# KiCad board Macro Pad 2 PCB.kicad_pcb
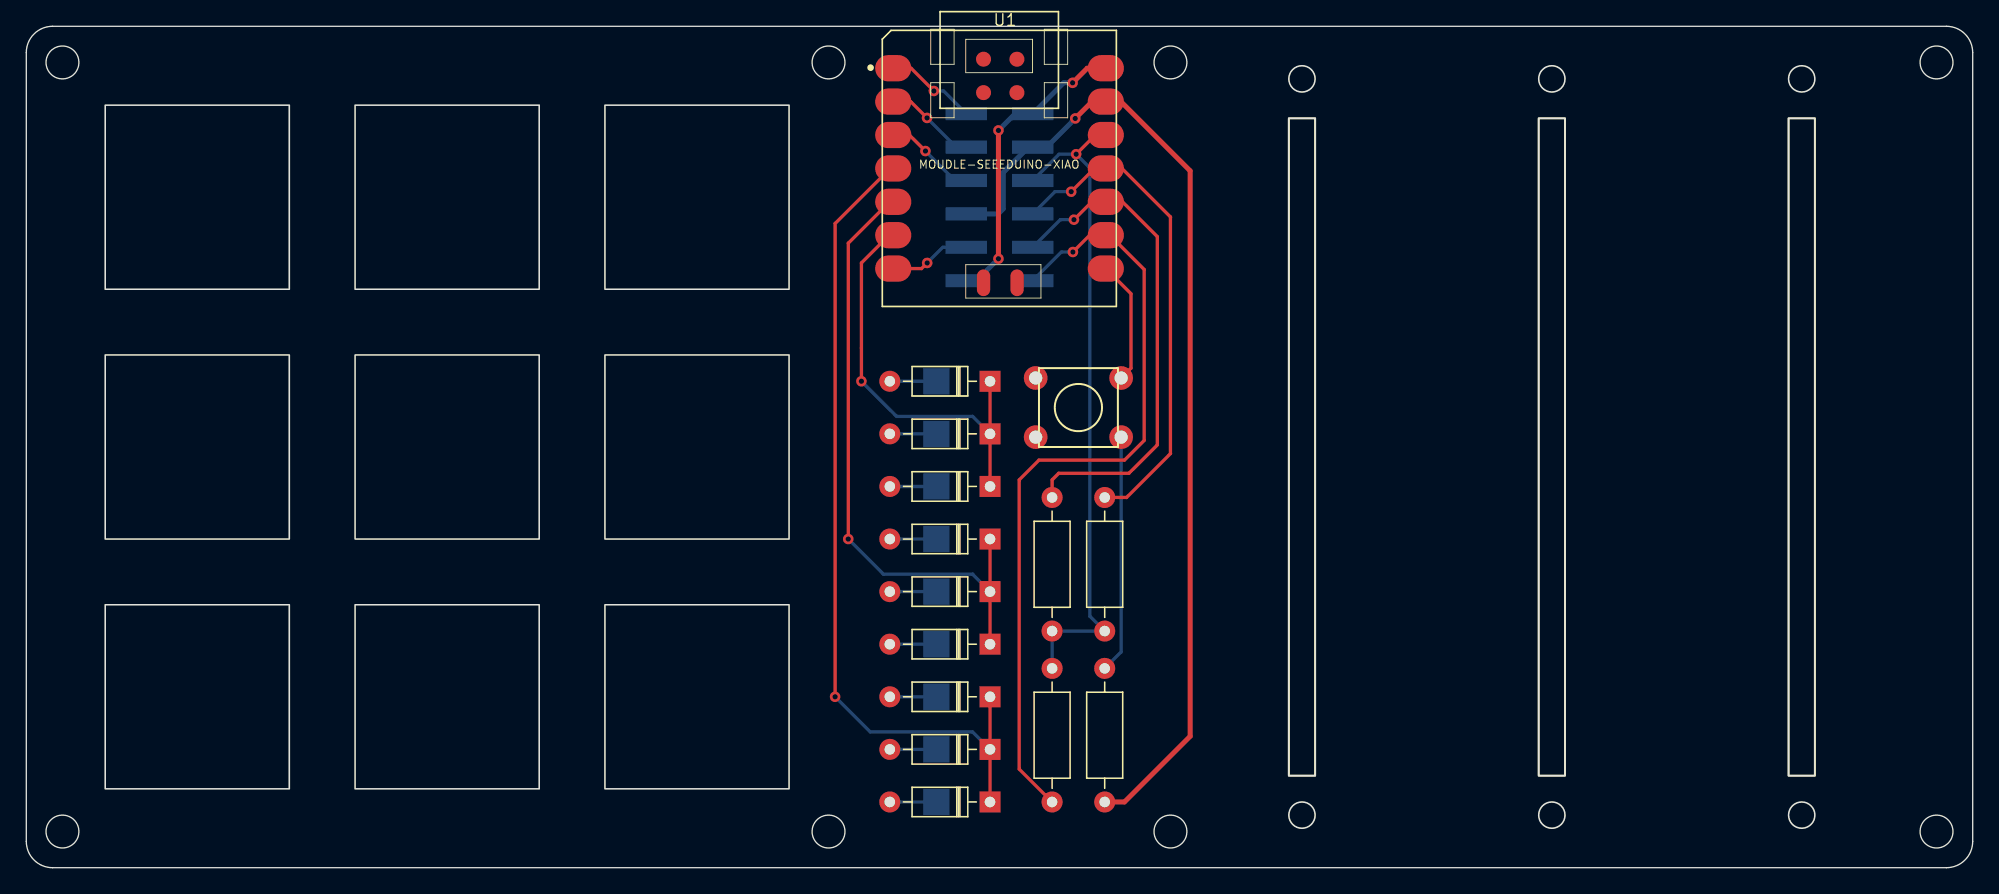
[diagram p0: board, top side]
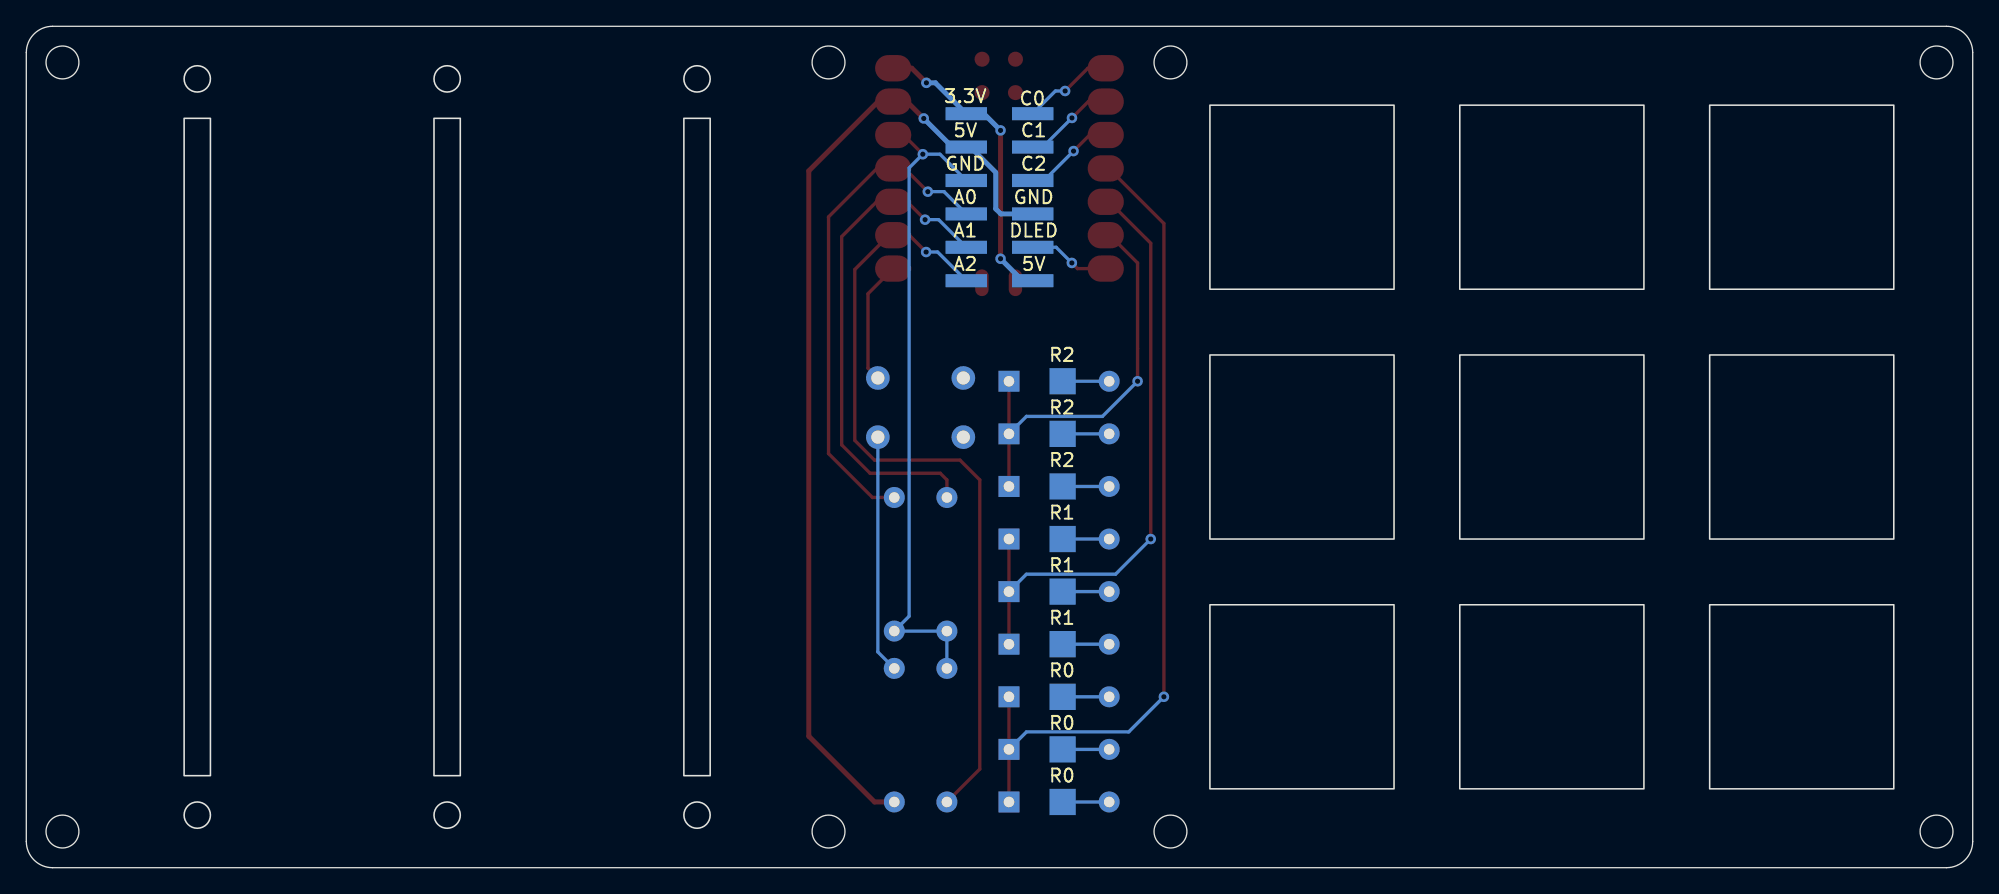
[diagram p1: board, bottom side, seen from below]

Outline 148 x 64 mm; copper layers: Top, Bottom. Coordinates in mm from the lower left corner of the outline.
Outline path: circle c2.75,61.25 r1.25 ; circle c2.75,2.75 r1.25 ; circle c61,61.25 r1.25 ; circle c61,2.75 r1.25 ; circle c87,61.25 r1.25 ; circle c87,2.75 r1.25 ; circle c145.25,61.25 r1.25 ; circle c145.25,2.75 r1.25 ; 0,62 arc(0.59,63.41) 2,64 146,64 arc(147.41,63.41) 148,62 148,2 arc(147.41,0.59) 146,0 2,0 arc(0.59,0.59) 0,2 0,62
Stack: Top 0.035mm / dielectric 1.51mm FR4 er 4.5 / Bottom 0.035mm

## Placement (name value [footprint] x y rotation side)
D1  1N4148  [D_DO-35_SOD27_P7.62mm_Horizontal]  73.28 5 180 top
D2  1N4148  [D_DO-35_SOD27_P7.62mm_Horizontal]  73.28 17 180 top
D3  1N4148  [D_DO-35_SOD27_P7.62mm_Horizontal]  73.28 29 180 top
D4  1N4148  [D_DO-35_SOD27_P7.62mm_Horizontal]  73.28 9 180 top
D5  1N4148  [D_DO-35_SOD27_P7.62mm_Horizontal]  73.28 21 180 top
D6  1N4148  [D_DO-35_SOD27_P7.62mm_Horizontal]  73.28 33 180 top
D7  1N4148  [D_DO-35_SOD27_P7.62mm_Horizontal]  73.28 13 180 top
D8  1N4148  [D_DO-35_SOD27_P7.62mm_Horizontal]  73.28 25 180 top
D9  1N4148  [D_DO-35_SOD27_P7.62mm_Horizontal]  73.28 37 180 top
J1  Conn_02x06_Counter_Clockwise  [PinHeader_2x06_P2.54mm_Vertical_SMD]  74 51 180 bottom
J2  TestPoint  [TestPoint_Pad_2.0x2.0mm]  69.2 5 180 bottom
J3  TestPoint  [TestPoint_Pad_2.0x2.0mm]  69.2 17 180 bottom
J4  TestPoint  [TestPoint_Pad_2.0x2.0mm]  69.2 29 180 bottom
J5  TestPoint  [TestPoint_Pad_2.0x2.0mm]  69.2 9 180 bottom
J6  TestPoint  [TestPoint_Pad_2.0x2.0mm]  69.2 21 180 bottom
J7  TestPoint  [TestPoint_Pad_2.0x2.0mm]  69.2 33 180 bottom
J8  TestPoint  [TestPoint_Pad_2.0x2.0mm]  69.2 37 180 bottom
J9  TestPoint  [TestPoint_Pad_2.0x2.0mm]  69.2 13 180 bottom
J10  TestPoint  [TestPoint_Pad_2.0x2.0mm]  69.2 25 180 bottom
MX1  MX-NoLED  [Cherry Cutout]  13 51 0 top
MX2  MX-NoLED  [Cherry Cutout]  32 51 0 top
MX3  MX-NoLED  [Cherry Cutout]  51 51 0 top
MX4  MX-NoLED  [Cherry Cutout]  13 32 0 top
MX5  MX-NoLED  [Cherry Cutout]  32 32 0 top
MX6  MX-NoLED  [Cherry Cutout]  51 32 0 top
MX7  MX-NoLED  [Cherry Cutout]  13 13 0 top
MX8  MX-NoLED  [Cherry Cutout]  32 13 0 top
MX9  MX-NoLED  [Cherry Cutout]  51 13 0 top
R1  10k  [R_Axial_DIN0207_L6.3mm_D2.5mm_P10.16mm_Horizontal]  82 18 90 top
R2  10k  [R_Axial_DIN0207_L6.3mm_D2.5mm_P10.16mm_Horizontal]  78 18 90 top
R3  10k  [R_Axial_DIN0207_L6.3mm_D2.5mm_P10.16mm_Horizontal]  78 5 90 top
R5  10k  [R_Axial_DIN0207_L6.3mm_D2.5mm_P10.16mm_Horizontal]  82 5 90 top
R6  PTA4543-2015DPB103  [Slide Pot Cutout]  97 32 0 top
R7  PTA4543-2015DPB103  [Slide Pot Cutout]  116 32 0 top
R8  PTA4543-2015DPB103  [Slide Pot Cutout]  135 32 0 top
SW1  SW_MEC_5G  [PushButton_6x6mm_TH_Pretty]  80 35 0 top
U1  MOUDLE-SEEEDUINO-XIAO  [Seeeduino XIAO-MOUDLE14P-2.54-21X17.8MM]  65.09 42.69 0 top

## Library data of the parts
D1 D5 D6 D9 = -: Description: 100V 0.15A standard switching diode, DO-35; Field4: K; Field6: K
D2-D4 D7 D8 = -: Description: 100V 0.15A standard switching diode, DO-35; Field4: K; Field5: K
J1 = -: Description: Generic connector, double row, 02x06, counter clockwise pin numbering scheme (similar to DIP package numbering), script generated (kicad-library-utils/schlib/autogen/connector/)
J2-J10 = -: Description: test point
R1-R3 R5 = -: Description: Resistor, US symbol
R6-R8 = -: MANUFACTURER: Bourns; MAXIMUM_PACKAGE_HEIGHT: 21.5 mm; PARTREV: 04/21; STANDARD: Manufacturer Recommendations
SW1 = -: Description: MEC 5G single pole normally-open tactile switch

## Footprints (pads in the part's own frame, mm; a bottom-side part is the same pattern mirrored in y, then rotated)
D_DO-35_SOD27_P7.62mm_Horizontal
  rect 1.6x1.6 hole 0.8: 1(0,0)
  oval 1.6x1.6 hole 0.8: 2(7.62,0)
PinHeader_2x06_P2.54mm_Vertical_SMD
  rect 3.15x1 smd: 1(-2.525,6.35) 2(2.525,6.35) 3(-2.525,3.81) 4(2.525,3.81) 5(-2.525,1.27) 6(2.525,1.27) 7(-2.525,-1.27) 8(2.525,-1.27) 9(-2.525,-3.81) 10(2.525,-3.81) 11(-2.525,-6.35) 12(2.525,-6.35)
PushButton_6x6mm_TH_Pretty
  round 1.8 hole 1: 1(3.25,2.25) 2(-3.25,-2.25) 3(3.25,-2.25) 4(-3.25,2.25)
R_Axial_DIN0207_L6.3mm_D2.5mm_P10.16mm_Horizontal
  round 1.6 hole 0.8: 1(0,0)
  oval 1.6x1.6 hole 0.8: 2(10.16,0)
Seeeduino XIAO-MOUDLE14P-2.54-21X17.8MM
  oval 2.748x1.999 smd: 1(0.833,18.118) 2(0.833,15.578) 3(0.833,13.038) 4(0.833,10.498) 5(0.833,7.958) 6(0.833,5.418) 7(0.833,2.878) 8(16.998,2.878) 9(16.998,5.418) 10(16.998,7.958) 11(16.998,10.498) 12(16.998,13.038) 13(16.998,15.578) 14(16.998,18.118)
  oval 1.016x2.032 smd: 15(7.7,1.8) 16(10.25,1.8)
  round 1.143 smd: 17(7.699,18.804) 18(10.239,18.804) 19(7.699,16.264) 20(10.239,16.264)
TestPoint_Pad_2.0x2.0mm
  rect 2x2 smd: 1(0,0)

## Nets
+3.3V: J1.5 R1.1 R2.1 R3.2 U1.12
+5V: J1.1 J1.12 U1.14
GND: J1.3 J1.8 R5.1 U1.13
A0: J1.2 U1.1
A1: J1.4 U1.2
A2: J1.6 U1.3
C0: J1.7 R1.2 U1.11
C1: J1.9 R2.2 U1.10
C2: J1.11 R3.1 U1.9
DLED: J1.10 U1.7
R0: D1.1 D4.1 D7.1 U1.4
R1: D2.1 D5.1 D8.1 U1.5
R2: D3.1 D6.1 D9.1 U1.6
Net-(D1-A): D1.2 J2.1
Net-(D2-A): D2.2 J3.1
Net-(D3-A): D3.2 J4.1
Net-(D4-A): D4.2 J5.1
Net-(D5-A): D5.2 J6.1
Net-(D6-A): D6.2 J7.1
Net-(D7-A): D7.2 J9.1
Net-(D8-A): D8.2 J10.1
Net-(D9-A): D9.2 J8.1
Net-(R5-Pad2): R5.2 SW1.3 SW1.4
Net-(U1-PB09_A7_D7_RX): SW1.1 SW1.2 U1.8

Pads without a net: U1 15 16 17 18 19 20

## Via types
v1: diameter 0.8, hole 0.4, Top to Bottom, 15 vias

## Routing (per net, layer and track width the routed paths; a pad name or vN(x,y) marks a point on that pad's centre or on a via; arc(x,y) is an arc through that point)
+3.3V: length 51
  Top w0.254: v1(79.83,54.27) 81.29,55.73 U1.12
  Bottom w0.254: J1.5 78.53,54.27 v1(79.83,54.27) 80.87,53.23 80.87,19.13 R1.1 R2.1 R3.2
+5V: length 23
  Top w0.381: U1.14 80.67,60.81 v1(79.56,59.7) ; v1(73.92,56.08) v1(73.92,46.32)
  Bottom w0.381: J1.12 72.25,44.65 v1(73.92,46.32) ; v1(79.56,59.7) 78.88,59.7 J1.1 75.19,57.35 v1(73.92,56.08)
GND: length 75.9
  Top w0.381: R5.1 83.5,5 88.5,10 88.5,53 83.23,58.27 U1.13 81.04,58.27 v1(79.76,56.99)
  Bottom w0.381: J1.8 73.9,49.73 74.29,50.12 74.29,52.89 76.21,54.81 J1.3 77.58,54.81 v1(79.76,56.99)
A0: length 7
  Top w0.254: v1(69.01,59.08) 67.28,60.81 U1.1
  Bottom w0.254: v1(69.01,59.08) 69.75,59.08 J1.2
A1: length 7
  Top w0.254: v1(68.49,57.03) 67.25,58.27 U1.2
  Bottom w0.254: v1(68.49,57.03) 70.71,54.81 J1.4
A2: length 7
  Top w0.254: U1.3 67.15,55.73 v1(68.37,54.51)
  Bottom w0.254: v1(68.37,54.51) 70.61,52.27 J1.6
C0: length 37.8
  Top w0.254: R1.2 83.66,28.16 87,31.5 87,49.5 83.31,53.19 U1.11 81.22,53.19 v1(79.45,51.42)
  Bottom w0.254: v1(79.45,51.42) 78.22,51.42 J1.7
C1: length 38.3
  Top w0.254: v1(79.66,49.29) 81.02,50.65 U1.10 83.35,50.65 86,48 86,32.16 83.84,30 78.5,30 78,29.5 R2.2
  Bottom w0.254: v1(79.66,49.29) 78.62,49.29 J1.9
C2: length 60.3
  Top w0.254: R3.1 75.5,7.5 75.5,29.5 77,31 83.5,31 85,32.5 85,45.5 82.39,48.11 U1.9 80.86,48.11 v1(79.58,46.83)
  Bottom w0.254: v1(79.58,46.83) 78.71,46.83 J1.11
DLED: length 6.2
  Top w0.254: U1.7 68.07,45.57 v1(68.5,46)
  Bottom w0.254: v1(68.5,46) 69.69,47.19 J1.10
R0: length 63.6
  Top w0.254: v1(61.5,13) 61.5,49 65.69,53.19 U1.4 ; D7.1 D4.1 D1.1
  Bottom w0.254: D4.1 71.95,10.33 64.17,10.33 v1(61.5,13)
R1: length 47.7
  Top w0.254: U1.5 65.65,50.65 62.5,47.5 v1(62.5,25) ; D8.1 D5.1 D2.1
  Bottom w0.254: D5.1 71.95,22.33 65.17,22.33 v1(62.5,25)
R2: length 31.7
  Top w0.254: U1.6 65.61,48.11 63.5,46 v1(63.5,37) ; D3.1 D6.1 D9.1
  Bottom w0.254: D6.1 71.95,34.33 66.17,34.33 v1(63.5,37)
Net-(D1-A): length 3.5
  Bottom w0.254: D1.2 J2.1
Net-(D2-A): length 3.5
  Bottom w0.254: J3.1 D2.2
Net-(D3-A): length 3.5
  Bottom w0.254: D3.2 J4.1
Net-(D4-A): length 3.5
  Bottom w0.254: D4.2 J5.1
Net-(D5-A): length 3.5
  Bottom w0.254: J6.1 D5.2
Net-(D6-A): length 3.5
  Bottom w0.254: D6.2 J7.1
Net-(D7-A): length 3.5
  Bottom w0.254: D7.2 J9.1
Net-(D8-A): length 3.5
  Bottom w0.254: J10.1 D8.2
Net-(D9-A): length 3.5
  Bottom w0.254: D9.2 J8.1
Net-(R5-Pad2): length 18.1
  Bottom w0.254: SW1.3 83.25,16.41 R5.2
Net-(U1-PB09_A7_D7_RX): length 9.4
  Top w0.254: U1.8 84,43.65 84,38 SW1.1

## Text on the board
B.Silkscreen: R2 | R1 | R0 | C1 | C2 | GND | DLED | 5V | C0 | 3.3V | A0 | A1 | A2
